# Altium PCB PCB2.PcbDoc (part 1 of 2) (continued)
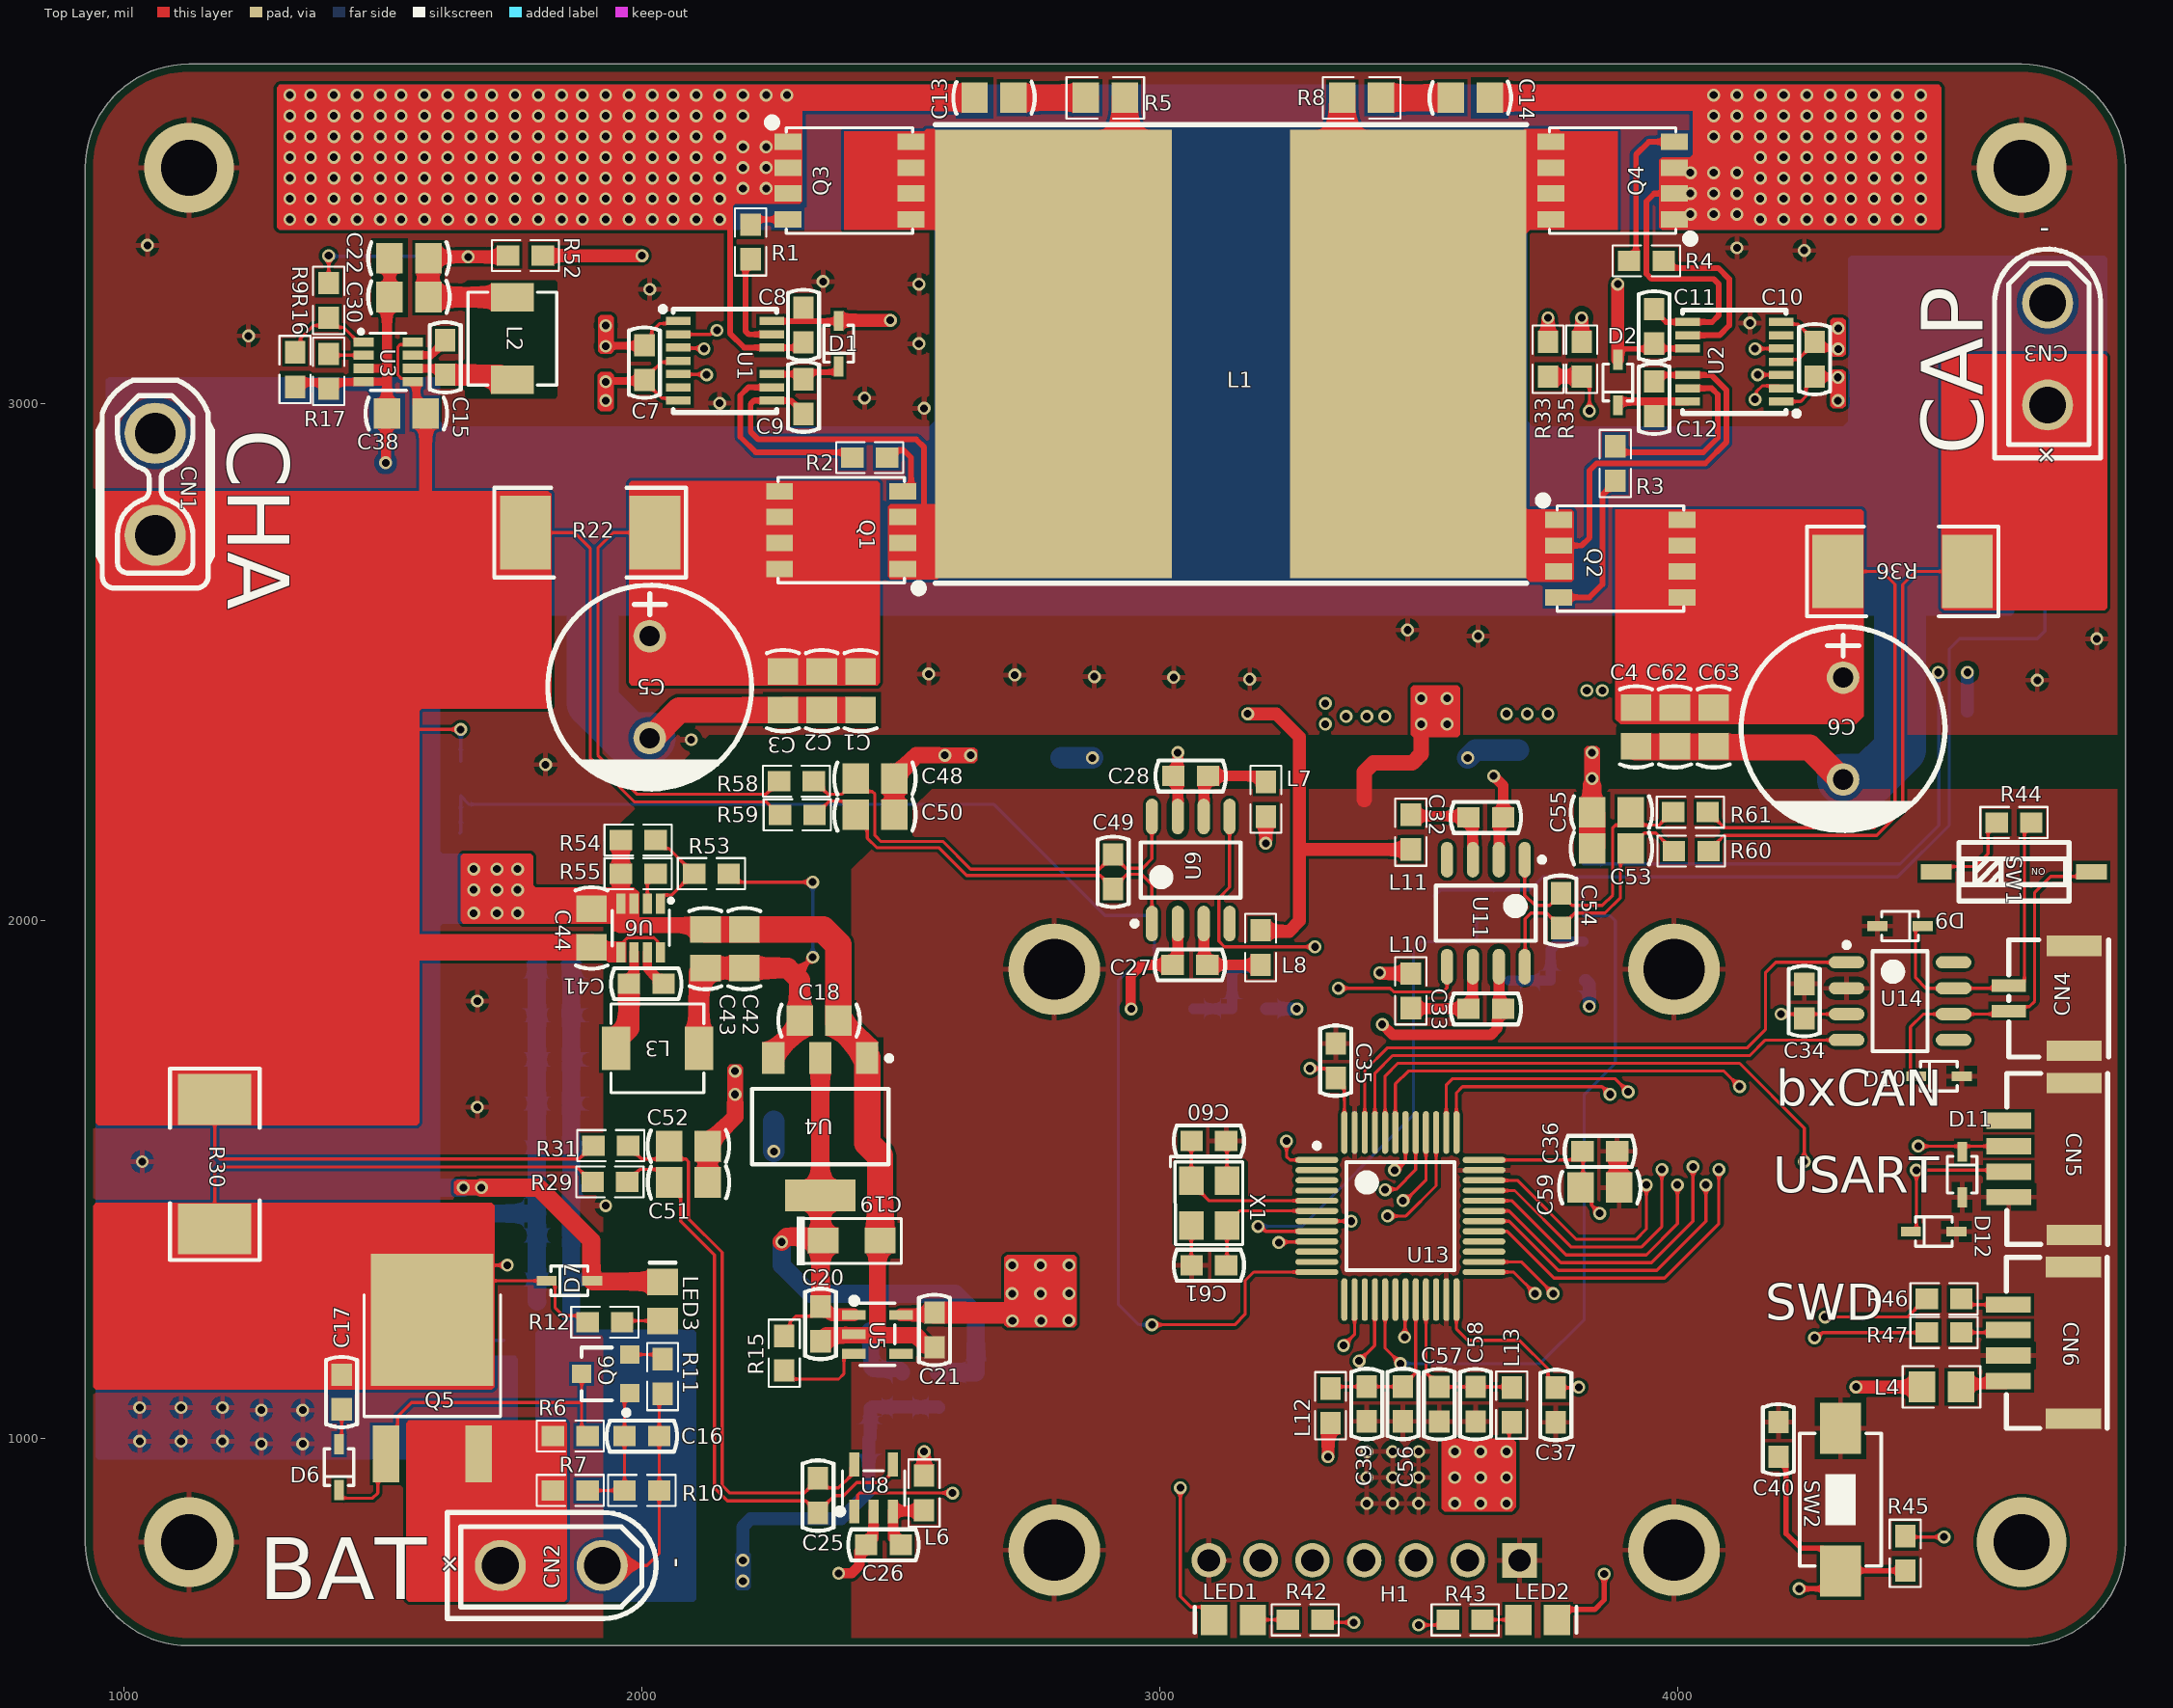
[diagram p0: Top Layer view]
## Part data (continued)
D1 D2 D6 D7: Average Rectified Current (Io)=1A, Forward Voltage (Vf@If)=600mV@1A, JLCPCB Part Class="Extended Part", LCSC Part Name="40V 1A 600mV@1A", Manufacturer=CJ(江苏长电/长晶), Manufacturer Part=B5819WS, Reverse Voltage (Vr)=40V, Add into BOM=yes, Convert to PCB=yes, Datasheet=https://atta.szlcsc.com/upload/public/pdf/source/20170919/C22624_1505799673448977596.pdf, Device=B5819WS_C22624, Name=B5819WS, Supplier=LCSC, Supplier Footprint=SOD-323, Supplier Part=C22624, Symbol=B5819WS_C22624
D4: BOM_JLCPCB Part Class="Extended Part", BOM_Manufacturer=FTR, BOM_Manufacturer Part=SMBJ26CA, BOM_Supplier=LCSC, BOM_Supplier Part=C708000, Contributor=LCSC, spicePre=D, spiceSymbolName=SMBJ26CA_C708000
D9 D10 D11 D12: BOM_JLCPCB Part Class="Extended Part", BOM_Manufacturer="Brightking Elec (TAIWAN)", BOM_Manufacturer Part=UDD32C15L01, BOM_Supplier=LCSC, BOM_Supplier Part=C313321, Contributor=LCSC, spicePre=D, spiceSymbolName=UDD32C15L01
H1: library part OLED_1.3inch, Color=黑色, Current Rating (Max)=-, JLCPCB Part Class="Extended Part", LCSC Part Name="2.54mm 1x7P 直插 方针", Manufacturer=XFCN(兴飞), Operating Temperature Range=-40℃~+105℃, Add into BOM=yes, Circluar Pins/Square Pins=方针, Contact Material=黄铜, Contact Plating=-, Convert to PCB=yes, Datasheet=https://atta.szlcsc.com/upload/public/pdf/source/20200309/C492406_654C533EE691117E22DD9F76C114C2D9.pdf, Device=PZ254V-11-07P, Insulation Height=2.5mm, Length of End Connection Pin=3mm, Length of Mating Pin=6mm, Manufacturer Part=PZ254V-11-07P, Mounting Type=直插, Name=PZ254V-11-07P, Number of Pins=7, Number of Rows=1, Pin Structure=1x7P, Pitch=2.54mm, Row Spacing=-, Supplier=LCSC, Supplier Footprint=直插,P=2.54mm, Supplier Part=C492406, Symbol=PZ254V-11-07P, Voltage Rating (Max)=-
L1: library part 15uH_CY, BOM_Manufacturer="3L COILS", BOM_Manufacturer Part=SNR8040K-470M, BOM_Supplier=LCSC, BOM_Supplier Part=C326356, Contributor=LCSC, nameAlias=Inductance, spicePre=L, spiceSymbolName=SNR8040K-470M
L2 L3: DC Resistance (DCR)=282mΩ, JLCPCB Part Class="Extended Part", LCSC Part Name="10uH ±20% 2A", Manufacturer=Sunlord(顺络), Rated Current=1.6A, Ratings=-, Saturation Current (Isat)=2A, Tolerance=±20%, Add into BOM=yes, Convert to PCB=yes, Datasheet=https://atta.szlcsc.com/upload/public/pdf/source/20190729/C408339_3BC98729F1BEEFAE5AEBBEB66576AB79.pdf, Device=MWSA0402S-100MT, Manufacturer Part=MWSA0402S-100MT, Name=10uH, Supplier=LCSC, Supplier Footprint=SMD, Supplier Part=C408339, Symbol=MWSA0402S-100MT, Type=-
L4 L5 L6 L7 L8 L9 L10 L11 L12 L13: BOM_JLCPCB Part Class="Extended Part", BOM_Manufacturer=FH, BOM_Manufacturer Part=CBW201209U601T, BOM_Supplier=LCSC, BOM_Supplier Part=C21286, nameAlias=Value, spicePre=L, spiceSymbolName=CBW201209U601T
LED1 LED2 LED3: BOM_JLCPCB Part Class="Extended Part", BOM_Manufacturer=MEIHUA, BOM_Manufacturer Part=MHT192WDT-CYAN, BOM_Supplier=LCSC, BOM_Supplier Part=C496821, Contributor=LCSC, spicePre=L, spiceSymbolName=MHT192WDT-CYAN
Q1 Q2 Q3 Q4 Q7: Continuous Drain Current (Id)=5.7A, Drain Source On Resistance (RDS(on)@Vgs,Id)=26.5mΩ@10V,5.7A, Drain Source Voltage (Vdss)=30V, Gate Threshold Voltage (Vgs(th)@Id)=1.5V@250μA, JLCPCB Part Class="Basic Part", LCSC Part Name="N沟道 30V 5.7A", Manufacturer=AOS, Manufacturer Part=AO3400A, Power Dissipation (Pd)=1.4W, Add into BOM=yes, Convert to PCB=yes, Datasheet=https://atta.szlcsc.com/upload/public/pdf/source/20140107/1457706668533.pdf, Device=AO3400A_C20917, Name=AO3400A, Supplier=LCSC, Supplier Footprint=SOT-23-3L, Supplier Part=C20917, Symbol=AO3400A, Type=N沟道
Q5: Continuous Drain Current (Id)=61A, Drain Source On Resistance (RDS(on)@Vgs,Id)=17mΩ@10V,17A, Drain Source Voltage (Vdss)=60V, Gate Threshold Voltage (Vgs(th)@Id)=3V@250μA, JLCPCB Part Class="Extended Part", LCSC Part Name="P沟道 60V 61A", Manufacturer=MATSUKI(松木), Power Dissipation (Pd)=114W, Add into BOM=yes, Convert to PCB=yes, Datasheet=https://atta.szlcsc.com/upload/public/pdf/source/20180316/EC2C67353FCE0BEDF2188A18E5230379.pdf, Device=ME50P06-G, Manufacturer Part=ME50P06-G, Name=ME50P06-G, Supplier=LCSC, Supplier Footprint=TO-252-2(DPAK), Supplier Part=C165230, Symbol=ME50P06, Type=P沟道
Q6: BOM_JLCPCB Part Class="Extended Part", BOM_Manufacturer="High Diode", BOM_Manufacturer Part=S8050, BOM_Supplier=LCSC, BOM_Supplier Part=C466625, Contributor=LCSC, spicePre=Q, spiceSymbolName=S8050_C466625
R1 R2 R3 R4 R5 R6 R7 R8 R9 R10 R11 R12 R13 R14 R15 R16 R17 R23 R25 R26 R27 R29 R30 R31 R32 R34 R35 R37 R38 R39 R40 R41 R42 R43 R44 R45 R46 R47 R48 R49 R50 R51 R52 R53 R54 R55 R58 R59 R60 R61: BOM_JLCPCB Part Class="Basic Part", BOM_Manufacturer=UniOhm, BOM_Manufacturer Part=0603WAF1002T5E, Resistance (Ohms)=10K, BOM_Supplier=LCSC, BOM_Supplier Part=C25804, nameAlias=Resistance, spicePre=R, spiceSymbolName=0603WAF1002T5E
R22 R36: library part 3mΩ, BOM_JLCPCB Part Class="Basic Part", BOM_Manufacturer=UniOhm, BOM_Manufacturer Part=0603WAF1002T5E, Resistance (Ohms)=10K, BOM_Supplier=LCSC, BOM_Supplier Part=C25804, nameAlias=Resistance, spicePre=R, spiceSymbolName=0603WAF1002T5E
R33: B Constant Tolerance=±1%, JLCPCB Part Class="Extended Part", LCSC Part Name="10kΩ 电阻精度:±1% 3380K", Manufacturer=muRata(村田), Operating Temperature=-40℃~+125℃, Power=100mW, Resistance @ 25℃=10kΩ, Steady State Current (Max)=310uA, Add into BOM=yes, B Constant (25℃/50℃)=3380K, B Constant (25℃/75℃)=-, B Constant (25℃/85℃)=3334K, B Constant (25℃/100℃)=3455K, Convert to PCB=yes, Datasheet=https://atta.szlcsc.com/upload/public/pdf/source/20130819/1457706638081.pdf, Device=NCP18XH103F03RB, Manufacturer Part=NCP18XH103F03RB, Name=NCP18XH103F03RB, Resistance Tolerance=±1%, Supplier=LCSC, Supplier Footprint=0603, Supplier Part=C13564, Symbol=NCP18XH103F03RB
SW1: Color=黑色, JLCPCB Part Class="Extended Part", LCSC Part Name="1.27mm 1位低推贴胶", Manufacturer=YE, Add into BOM=yes, Circuit=单刀单掷, Convert to PCB=yes, Datasheet=https://atta.szlcsc.com/upload/public/pdf/source/20220428/74B573882803886B9DF6FBBC1614692A.pdf, Device=DSHP01TSGET, Lead Pitch=1.27mm, Manufacturer Part=DSHP01TSGET, Name=DSHP01TSGET, Number of Positions=1, Supplier=LCSC, Supplier Footprint=SMD,5.4x2.85mm, Supplier Part=C126848, Symbol=DSHP01TSGET, Type=平拨，凹槽式
SW2: BOM_JLCPCB Part Class="Extended Part", BOM_Manufacturer=HYP, BOM_Manufacturer Part=1TS002B-2700-5000, BOM_Supplier=LCSC, BOM_Supplier Part=C318844, Contributor=LCSC, spicePre=S, spiceSymbolName=1TS002B-2700-5000
U1 U2: JLCPCB Part Class="Extended Part", LCSC Part Name="半桥 MOSFET 灌:4A 拉:8A", Manufacturer=Infineon(英飞凌), Operating Temperature=-40℃~+150℃@(Tj), Peak Output Current(sink)=4A, Peak Output Current(source)=8A, Supply Voltage=3V~3.5V, Add into BOM=yes, Convert to PCB=yes, Datasheet=https://atta.szlcsc.com/upload/public/pdf/source/20210606/C69F41D9A598FEEE25D6E8D6BBA83E77.pdf, Device=2EDF7275KXUMA1, Driven Configuration=半桥, Fall Time=4.5ns, loadtype=MOSFET, Manufacturer Part=2EDF7275KXUMA1, Name=2EDF7275KXUMA1, Number of Drivers=2, Rise Time=6.5ns, Supplier=LCSC, Supplier Footprint=TFLGA-13-1, Supplier Part=C2677063, Symbol=2EDF7275KXUMA1
U3 U6: BOM_JLCPCB Part Class="Extended Part", BOM_Manufacturer="Texas Instruments", BOM_Manufacturer Part=TPS5430DDAG4, BOM_Supplier=LCSC, BOM_Supplier Part=C201628, Contributor=LCSC, spicePre=U, spiceSymbolName=TPS5430DDAG4
U4: Dropout Voltage=1.3V@(1A), JLCPCB Part Class="Extended Part", LCSC Part Name="正 Vin=18V Vout=3.3V 1A 60dB@(120Hz)", Manufacturer=UMW(广东友台半导体), Manufacturer Part=AMS1117-3.3, Maximum Input Voltage=18V, Output Current=1A, Output Voltage=3.3V, Power Supply Rejection Ratio (PSRR)=60dB@(120Hz), Add into BOM=yes, Convert to PCB=yes, Datasheet=https://atta.szlcsc.com/upload/public/pdf/source/20211011/50CC665C22E3A66C08379A4A74BDA25C.pdf, Device=AMS1117-3.3_C347222, Name=AMS1117-3.3, Number of Outputs=1, Output Polarity=正, Output Type=固定, Supplier=LCSC, Supplier Footprint=SOT-223-4, Supplier Part=C347222, Symbol=AMS1117-3.3_C347222
U5: Dropout Voltage=400mV@(500mA), JLCPCB Part Class="Extended Part", LCSC Part Name="Vin=5.5V Vout=3.3V 500mA 50dB@(10kHz)", Manufacturer=RICHTEK(台湾立锜), Maximum Input Voltage=5.5V, Output Current=500mA, Output Voltage=3.3V, Power Supply Rejection Ratio (PRSS)=50dB@(10kHz), Quiescent Current (Ground Current)=-, Add into BOM=yes, Convert to PCB=yes, Datasheet=https://atta.szlcsc.com/upload/public/pdf/source/20150504/1457707282459.pdf, Device=RT9013-33GB, Feature=-, Manufacturer Part=RT9013-33GB, Name=RT9013-33GB, Noise=-, Number of Outputs=1, Output Polarity=正, Output Type=固定, Supplier=LCSC, Supplier Footprint=SOT-23-5, Supplier Part=C47773, Symbol=RT9013-33GB
U7 U10: JLCPCB Part Class="Extended Part", Manufacturer=COSINE(科山芯创), Supply Current=650uA, Voltage - Input Offset(Vos)=5mV, Add into BOM=yes, Convert to PCB=yes, Datasheet=https://atta.szlcsc.com/upload/public/pdf/source/20200629/C693056_2991DE5392421DDCA1474C8C5608148D.pdf, Device=COS722SR, Gain Bandwidth Product(GBP)=10MHz, LCSC Part Name=COS722SR, Manufacturer Part=COS722SR, Name=COS722SR, Number of Circuits=2, Slew Rate(SR)=7.5V/us, Supplier=LCSC, Supplier Footprint=SOIC-8, Supplier Part=C693063, Symbol=COS722SR
U8 U9 U11: JLCPCB Part Class="Extended Part", Manufacturer=TI(德州仪器), Add into BOM=yes, Convert to PCB=yes, Supplier=LCSC
  U8: Datasheet=https://atta.szlcsc.com/upload/public/pdf/source/20171221/C140332_15138310678791195272.pdf, Device=INA197AIDBVT, LCSC Part Name=INA197AIDBVT, Manufacturer Part=INA197AIDBVT, Name=INA197AIDBVT, Supplier Footprint=SOT-23-5, Supplier Part=C140332, Symbol=INA197AIDBVT
  U9 U11: Datasheet=https://atta.szlcsc.com/upload/public/pdf/source/20210607/AED5CCB0280C8C5A414BD6EEEB43F6C3.pdf, Device=INA240A1DR, LCSC Part Name=INA240A1DR, Manufacturer Part=INA240A1DR, Name=INA240A1DR, Supplier Footprint=SOIC-8, Supplier Part=C2060769, Symbol=INA240A1DR
U12: JLCPCB Part Class="Basic Part", LCSC Part Name="2.5V~36V 100mA", Manufacturer=CJ(江苏长电/长晶), Manufacturer Part=CJ431, Minimum Cathode Current for Regulation=1mA, Operating Temperature=-25℃~+85℃@(TA), Output Current=100mA, Output Voltage=2.5V~36V, Temperature Coefficient=50ppm/℃, Tolerance=±0.5%, Add into BOM=yes, Convert to PCB=yes, Datasheet=https://atta.szlcsc.com/upload/public/pdf/source/20180115/C3113_15160149461261269385.pdf, Device=CJ431_C3113, Name=CJ431, Output Type=可调, Supplier=LCSC, Supplier Footprint=SOT-23, Supplier Part=C3113, Symbol=CJ431_C3113
U13: JLCPCB Part Class="Extended Part", LCSC Part Name="ARM Cortex-M4 170MHz", Low-Voltage Detect=-, Manufacturer=ST(意法半导体), Operating Temperature Range=-40℃~+85℃, Operating Voltage Range=1.71V~3.6V, ADC (Bit)=12bit, Add into BOM=yes, CCP Capture/Compare=-, communication protocol=-, Convert to PCB=yes, CPU Core="ARM Cortex-M4", CPU Maximum Speed=170MHz, DAC (Bit)=12bit, Datasheet=https://atta.szlcsc.com/upload/public/pdf/source/20200902/C431632_38212262685EE30B1989689374F08940.pdf, Device=STM32G474CET6, Direct Memory Access=-, EEPROM=512KB, GPIO Ports Number=38, Infrared Data Association=-, Internal Comparator=-, Internal Oscillator=有, Manufacturer Part=STM32G474CET6, Name=STM32G474CET6, Peripheral/Function=PWM；看门狗；PWM, Program Memory Type=FLASH, Program Storage Size=512KB, PWM (Bit)=-, RAM Size=128KB, Real-Time Clock=-, Secure Digital Input and Output=-, Supplier=LCSC, Supplier Footprint=LQFP-48(7x7), Supplier Part=C730125, Symbol=STM32G474CET6, Universal Serial Bus=-, Watchdog=-
U14: BOM_JLCPCB Part Class="Extended Part", BOM_Manufacturer=TI, BOM_Manufacturer Part=SN65HVD232DR, BOM_Supplier=LCSC, BOM_Supplier Part=C30530, spicePre=U, spiceSymbolName=SN65HVD232DR
X1: Frequency Stability=±30ppm, Frequency Tolerance=±10ppm, JLCPCB Part Class="Basic Part", LCSC Part Name="25MHz ±10ppm 12pF", Load Capacitance=12pF, Manufacturer=YXC(扬兴晶振), Operating Temperature=-40℃~+85℃, Add into BOM=yes, Convert to PCB=yes, Crystal Type=贴片无源晶振, Datasheet=https://atta.szlcsc.com/upload/public/pdf/source/20210329/C112971_1F611BDC486E193C1706F6D8EB5AA189.pdf, Device=X322525MOB4SI, Manufacturer Part=X322525MOB4SI, Name=25MHz, Supplier=LCSC, Supplier Footprint=SMD3225-4P, Supplier Part=C9006, Symbol=X322525MOB4SI

## Via types
v1: diameter 25/25/25/25 (per signal layer), hole 15, Top Layer to Bottom Layer, tented both sides, 308 vias
v2: diameter 25, hole 15, Top Layer to Bottom Layer, tented both sides, 98 vias
v3: diameter 173.23, hole 108.27, Top Layer to Bottom Layer, 2 vias
v4: diameter 173.23/173.23/173.23/173.23 (per signal layer), hole 108.27, Top Layer to Bottom Layer, 2 vias

## Nets (pads, with @x,y where several pads share a name; then routed paths per layer and width w, separated by ;. In a path a pad name is that pad's centre, name@x,y a point inside that pad or via, vN(x,y) a via of type N, cw(c..) or ccw(c..) an arc to the next point about the centre after c; other vN are vias at no path point)
BAT_Vdet: U7.1 U7.2 U13.12 | length 1235.8
  Top Layer w6: v2(2985,1220) 3145,1220 3165,1240 3165,1305 3181.73,1321.73 U13.12@3303.58,1321.73
  Bottom Layer w6: v2(2985,1220) 2960,1220 2920,1260 2920,1885 2945.35,1910.35 U7.1@2989.89,1910.35 U7.2@2989.89,1960.35
CAN_Rx: U13.45 U14.4 | length 1051.8
  Top Layer w6: U13.45@3415.79,1591.42 3415.79,1705.79 3450,1740 4140,1740 4170,1770 U14.4@4326.65,1770
CAN_Tx: U13.46 U14.1 | length 1201.2
  Top Layer w6: U13.46@3396.1,1591.42 3396.1,1711.1 3440,1755 4135,1755 4170,1790 4170,1900 4190,1920 U14.1@4326.65,1920
CAP_Vdet: U10.1 U10.2 U13.8 | length 1004.5
  Top Layer w6: v2(3190,1410) 3195.14,1410 3204.67,1400.47 U13.8@3303.58,1400.47
  Bottom Layer w6: v2(3190,1410) 3275,1410 3490,1625 3490,1945 3505,1960 U10.1@3611.65,1960 U10.2@3611.65,2010
CapDriver_Enable: U2.5 U13.29 | length 2930.4
  Top Layer w6: U13.29@3626.42,1400.47 3671.01,1400.47 3761.49,1310 3975,1310 4080,1415 v2(4080,1520) ; v2(4150,3105) 4150.3,3105.3 4200.26,3105.3 U2.5@4200.55,3105.59
  DigitalVCC w10: v2(3750,2400) 3750,1860 3810,1800 4035,1800 4080,1755 v2(4080,1520)
  AnalogVCC w10: v2(3750,2400) 3750,2375.86 3744.14,2370 3655,2370 3640,2385 3640,2515 4100,2975 4100,3085 4120,3105 v2(4150,3105)
CapDriver_HighDrive: Q2.4 R3.2 | length 304.8
  Top Layer w11: Q2.4@3770.89,2625 3830,2625 3855,2650 3855,2823.03 3880,2848.03 R3.2@3880,2850
CapDriver_HighPWM: U2.2 U13.30 | length 2631.3
  Top Layer w6: U13.30@3626.42,1420.16 3674.84,1420.16 3770,1325 3960,1325 4055,1420 v2(4055,1490) ; v2(4150,3007.23) 4152.82,3010.05 4152.82,3022.82 4163.69,3033.69 4195.68,3033.69 U2.2@4200.55,3028.82
  DigitalVCC w10: v2(3710,2400) 3710,1850 3780,1780 4020,1780 4055,1745 v2(4055,1490)
  AnalogVCC w10: v2(3710,2400) 3710,2525 4150,2965 v2(4150,3007.23)
CapDriver_LowDrive: Q4.4 R4.2 | length 295
  Top Layer w11: R4.2@3906.54,3275 3920,3288.46 3920,3480 3945,3505 Q4.4@3994.11,3505
CapDriver_LowPWM: U2.3 U13.31 | length 2672.9
  Top Layer w6: U13.31@3626.42,1439.84 3675.16,1439.84 3705,1410 3775,1340 3950,1340 4030,1420 v2(4030,1525) ; v2@4155.3,3054.7 U2.3@4200.26,3054.7
  Top Layer w10: v2(4155,3055) v2@4155.3,3054.7 ; U2.3@4200.26,3054.7 U2.3@4200.55,3054.41
  DigitalVCC w10: v2(3670,2400) 3670,1840 3750,1760 4010,1760 4030,1740 v2(4030,1525)
  AnalogVCC w10: v2(3670,2400) 3670,2515 4125,2970 4125,3045 4135,3055 v2(4155,3055)
CapDriver_SW: C12.2 L1.2 Q2.1 Q2.2 Q2.3 Q4.5 Q4.6 Q4.7 Q4.8 R8.1 U2.11 | length 1288.2
  Top Layer w11: Q2.2@3770.89,2725 3815,2725 3830,2740 3830,2870 3843.78,2883.78 4053.78,2883.78 4095,2925 4095,3025 4065.59,3054.41 U2.11@4019.45,3054.41 3967.48,3054.41 C12.2@3955,3041.93
  Top Layer w51: R8.1@3352.6,3590 3352.6,3222.44 L1.2@3480.04,3095
CapDriver_VCC: C12.1 D2.1 U2.13 | length 140.7
  Top Layer w16: D2.1@3885,2996 3885,3001.58 3886.65,3003.23 U2.13@4019.45,3003.23
Chassis_Idet: U8.1 U13.16 | length 1314.9
  Top Layer w6: U8.1@2410.2,859.16 2416.85,865.81 2416.85,891.49 2420.36,895 v2(2600,895) ; v2(3385,1150) 3415,1180 3415,1267.8 U13.16@3415.79,1268.58
  AnalogVCC w10: v2(2600,895) 2670,965 3195,965 3230,1000 3230,1125 3255,1150 v2(3385,1150)
DCcap_Idet: U11.5 U13.9 | length 898.7
  Top Layer w6: v2(3230,1378.97) 3230.91,1379.88 3302.68,1379.88 U13.9@3303.58,1380.79 ; v2(3345,1870) 3445.07,1870 3452.14,1862.93 3547.07,1862.93 3555,1870.86 U11.5@3555,1911.65
  AnalogVCC w10: v2(3230,1378.97) 3231.03,1380 3280,1380 3310,1410 3310,1535 3345,1570 v2(3345,1870)
DCsource_Idet: U9.5 U13.14 | length 1395.8
  Top Layer w6: U9.5@3135,2201.69 3135,2065 3114.19,2044.19 3114.19,1960.81 3125,1950 v2(3300,1950) ; v2(3355.17,1179.81) 3376.42,1201.06 U13.14@3376.42,1268.58
  AnalogVCC w10: v2(3300,1950) 3355,1950 3370,1935 3370,1570 3330,1530 3330,1205 v2(3355.17,1179.81)
GND: C1.1 C2.1 C3.1 C4.1 C5.2 C6.2 C7.1 C8.2 C10.1 C11.2 C13.2 C14.2 C18.2 C19.2 C20.2 C21.2 C22.1 C23.2 C24.2 C26.2 C27.2 C28.2 C29.2 C30.1 C31.1 C32.2 C33.2 C34.1 C35.1 C36.1 C37.1 C38.1 C39.1 C40.1 C42.1 C43.1 C44.1 C45.1 C46.1 C47.1 C48.2 C50.1 C51.2 C52.2 C53.2 C55.2 C56.1 C57.1 C58.1 C59.1 C60.2 C61.2 C62.1 C63.1 C64.1 C65.1 C66.1 CN1.2 CN3.1 CN4.3 CN4.4 CN5.1 CN5.5 CN5.6 CN6.2 CN6.5 CN6.6 D7.2 D9.2 D10.2 D11.2 D12.2 H1.1 H1.7 H1.8 LED3.2 Q3.1 Q3.2 Q3.3 Q4.1 Q4.2 Q4.3 Q7.1 Q7.2 Q7.3 R14.1 R16.1 R17.1 R25.2 R26.2 R27.1 R34.1 R35.2 R37.2 R38.2 R41.1 R48.2 R49.2 R50.2 R51.2 R54.1 R55.1 SW2.1 U1.1 U1.11 U2.1 U2.8 U3.3 U3.4 U4.1 U5.2 U6.3 U6.4 U7.4 U8.2 U9.2 U9.7 U10.4 U11.2 U11.7 U12.3 U13.19 U13.23 U13.35 U13.47 U14.2 X1.2 X1.4 | length 14811.7
  Top Layer w6: C7.1@2005,3111.93 2019.07,3126 2019.07,3139.07 2033.67,3153.67 2065.13,3153.67 U1.1@2070,3158.54 ; X1.2@3061.1,1411.35 3061.1,1335.44 C61.2@3061.54,1335 ; C60.2@3128.46,1575 3130,1573.46 X1.4@3130,1497.97 ; v1(3473.03,1195.98) 3473.93,1196.89 3473.93,1267.68 U13.19@3474.84,1268.58 ; U2.1@4200.55,3003.23 4238.23,3003.23 4248.31,3013.31 4248.31,3034.85 C10.1@4265,3051.54
  Top Layer w11: 2170,3410 2170,3135 2197.64,3107.36 U1.11@2251.1,3107.36 2301.72,3107.36 C8.2@2312.03,3117.67 ; C11.2@3955,3181.93 3955,3179.96 3978.19,3156.77 U2.8@4019.45,3156.77 4066.77,3156.77 4080,3170 4080,3230 4070,3240 3950,3240 3940,3250 3940,3390 3955,3405 Q4.2@3994.11,3405
  Top Layer w15: R16.1@1330,3031.54 1338.72,3040.26 1461.4,3040.26 U3.4@1462.76,3041.61 1505.98,3041.61 1507.6,3040 ; U3.3@1462.76,3067.2 1505.39,3067.2 1507.6,3065 ; v1(1930,3110) 1930.96,3110.96 2004.04,3110.96 C7.1@2005,3111.93 ; C10.1@4265,3051.54 4265.77,3050.77 4309.23,3050.77 v1(4310,3050)
  Top Layer w20: v1(1505,2885) 1505.96,2885.96 1505.96,2978.36 C38.1@1507.6,2980 1507.6,3040 1507.6,3065 1507.6,3200 C30.1@1512.6,3205 C22.1@1512.6,3280 ; v1(2380,740) 2405,740 2420,755 2420,781.93 2421.42,783.35 2421.42,785.31 2431.1,795 C26.2@2433.07,795 2435.04,795 2447.6,807.56 U8.2@2447.6,859.16 ; v1(2945,1830) 2944.04,1830.96 2944.04,1894.04 2965,1915 C27.2@3025,1915 ; C27.2@3035,1924.69 U9.2@3035,1995 ; U9.7@3035,2201.69 v2(3035,2325) ; v1(3430,1800) 3450,1780 3640,1780 3651.81,1791.81 3651.81,1820.31 3661.5,1830 C33.2@3663.46,1830 3655.69,1837.77 3655.69,1910.96 U11.7@3655,1911.65 ; v1(3645,2280) 3663.46,2261.54 C32.2@3663.46,2200 3655.69,2192.23 3655.69,2119.04 U11.2@3655,2118.35
  Top Layer w25: R35.2@3815,3118.46 v1(3815,3165)
  Top Layer w30: 1958.13,1991.87 2114.76,1991.87 C43.1@2122.8,1983.83 ; R54.1@1959.33,2156.43 1959.37,2156.39 U6.4@1959.41,2033.68 U6.4@1959.41,2033.68 ; 3395,2235 3395,2287.43 3412.57,2305 3487.43,2305 3505,2322.57 v1(3505,2380) ; C36.1@3883.46,1555 3885.43,1553.03 3885.43,1486.97 C59.1@3887.4,1485
  Top Layer w32: C51.2@2127.4,1495 2127.3,1495.1 2127.3,1564.9 C52.2@2127.2,1565 2127.2,1568.94 2180,1621.73 2180,1647.5 ; C20.2@2345,1188.07 2345,1190.04 2348.69,1193.72 2350.65,1193.72 2356.93,1200 2455,1200 ; C19.2@2460,1382.61 2455,1377.61 2455,1200 ; C50.1@2487.4,2205 2487.4,2277.4 2530,2320 v1@2572.5,2320 ; C21.2@2545.55,1180 2545.55,1182.89 2528.44,1200 2455,1200
  Top Layer w35: v2(1690,1485) 1800,1485 1902.15,1382.85 1902.15,1306.85 D7.2@1904,1305 1905.3,1303.7 2038.7,1303.7 LED3.2@2040,1302.4 ; 3835,2262.5 3835,2210.2 C55.2@3835.2,2210
  Top Layer w50: C5.2@2015,2353.15 2018.51,2353.15 2072.81,2407.45 C3.1@2272.4,2407.45 C2.1@2347.4,2407.45 C1.1@2422.4,2407.45 C1.1@2426.34,2407.45 ; C53.2@3835.2,2140 C55.2@3835.2,2210 ; C4.1@3920,2335 4254.64,2335 4316.49,2273.15 C6.2@4320,2273.15
  Top Layer w51: C43.1@2122.8,1983.83 C42.1@2197.8,1983.83 2349.63,1983.83 2379.5,1953.96 C18.2@2379.5,1807.61 2379.5,1803.67 U4.1@2431.21,1751.97 ; 2265,3590 C13.2@2642.6,3590 ; U4.1@2435.06,1735.48 2435.06,1571.19 2460,1546.24 C19.2@2460,1400 ; C14.2@3637.4,3590 v1@4065,3590
  AnalogVCC w25: 3565,2370 3620,2370 3645,2345 3760,2345 3785,2370 3785,2560 4125,2900 4280,2900 4310,2930 v1(4310,3005) v1(4310,3050) ; v1@3817.37,3165 3980,3165 4030,3215 4385,3215 4505,3095 4505,2570 4560,2515 v1(4560,2480)
  AnalogVCC w30: v1(1930,3150) v1(1930,3110) 1894,3074 1894,2926 1945,2875 2135,2875 2160,2850 2160,2630 2245,2545 3230,2545 3275,2500 3275,2360 3295,2340 3465,2340 v1(3505,2380)
  Bottom Layer w6: R34.1@4775,2796.93 4775,3100
  Bottom Layer w25: 4560,2405 v1(4560,2480)
  Bottom Layer w35: 1505,1460 1530,1435 ; 1590,1435 R49.2@1797.07,1435 ; 1595,1485 v2(1655,1485) ; C23.2@1796.54,1940 1797.07,1939.47 R49.2@1797.07,1435 ; R51.2@1797.6,1265 1797.07,1265.53 R49.2@1797.07,1435 ; R49.2@1797.6,1435 R49.2@1797.07,1435
  Bottom Layer w100: 1905,2654.42 1905,2421.73 1973.58,2353.15 C5.2@2015,2353.15 ; C6.2@4320,2273.15 4371.42,2273.15 4430,2331.73 4430,2650
  other v1: 1035,1535 1682.01,1640.25 2180,1665 2180,1710 1682.01,1845.25 1675,2015 1720,2015 1760,2015 1675,2060 1720,2060 1760,2060 1675,2100 1720,2100 1760,2100 3835,2275 2585,2320 2635,2320 3835,2325 2095,2350 3555,2380 3505,2430 3555,2430 4695,2465 4810,2545 3615,2550 2545,2990 2150,3000 2430,3010 2535,3115 1240,3130 4140,3155 2015,3220 2535,3230 2350,3235 4245,3295 4115,3300 1045,3305 1320,3355 1360,3355 1405,3355 1450,3355 1495,3355 1535,3355 1580,3355 1625,3355 1670,3355 1710,3355 1755,3355 1800,3355 1845,3355 1885,3355 1930,3355 1975,3355 2020,3355 2060,3355 2105,3355 2150,3355 4160,3355 4205,3355 4250,3355 4295,3355 4335,3355 4380,3355 4425,3355 4470,3355 4025,3365 4070,3365 4115,3365 1320,3395 1360,3395 1405,3395 1450,3395 1495,3395 1535,3395 1580,3395 1625,3395 1670,3395 1710,3395 1755,3395 1800,3395 1845,3395 1885,3395 1930,3395 1975,3395 2020,3395 2060,3395 2105,3395 2150,3395 4160,3395 4205,3395 4250,3395 4295,3395 4335,3395 4380,3395 4425,3395 4470,3395 4025,3405 4070,3405 4115,3405 2195,3415 2240,3415 1320,3435 1360,3435 1405,3435 1450,3435 1495,3435 1535,3435 1580,3435 1625,3435 1670,3435 1710,3435 1755,3435 1800,3435 1845,3435 1885,3435 1930,3435 1975,3435 2020,3435 2060,3435 2105,3435 2150,3435 4160,3435 4205,3435 4250,3435 4295,3435 4335,3435 4380,3435 4425,3435 4470,3435 4025,3445 4070,3445 4115,3445 2195,3455 2240,3455 1320,3475 1360,3475 1405,3475 1450,3475 1495,3475 1535,3475 1580,3475 1625,3475 1670,3475 1710,3475 1755,3475 1800,3475 1845,3475 1885,3475 1930,3475 1975,3475 2020,3475 2060,3475 2105,3475 2150,3475 4160,3475 4205,3475 4250,3475 4295,3475 4335,3475 4380,3475 4425,3475 4470,3475 2195,3495 2240,3495 1320,3515 1360,3515 1405,3515 1450,3515 1495,3515 1535,3515 1580,3515 1625,3515 1670,3515 1710,3515 1755,3515 1800,3515 1845,3515 1885,3515 1930,3515 1975,3515 2020,3515 2060,3515 2105,3515 2150,3515 4070,3515 4115,3515 4160,3515 4205,3515 4250,3515 4295,3515 4335,3515 4380,3515 4425,3515 4470,3515 1320,3555 1360,3555 1405,3555 1450,3555 1495,3555 1535,3555 1580,3555 1625,3555 1670,3555 1710,3555 1755,3555 1800,3555 1845,3555 1885,3555 1930,3555 1975,3555 2020,3555 2060,3555 2105,3555 2150,3555 2195,3555 4070,3555 4115,3555 4160,3555 4205,3555 4250,3555 4295,3555 4335,3555 4380,3555 4425,3555 4470,3555 1320,3595 1360,3595 1405,3595 1450,3595 1495,3595 1535,3595 1580,3595 1625,3595 1670,3595 1710,3595 1755,3595 1800,3595 1845,3595 1885,3595 1930,3595 1975,3595 2020,3595 2060,3595 2105,3595 2150,3595 2195,3595 2240,3595 2280,3595 4070,3595 4115,3595 4160,3595 4205,3595 4250,3595 4295,3595 4335,3595 4380,3595 4425,3595 4470,3595
  other v2: 3400,875 3450,875 3500,875 3400,925 3450,925 3500,925 3400,975 3450,975 3500,975 1265,990 1345,990 1030,995 1110,995 1190,995 1265,1055 1345,1055 1030,1060 1110,1060 1190,1060 1930,1450 1813.89,2301.95 3173.89,2466.95 3027.01,2470.25 2873.89,2471.95 2720,2475 2553.89,2476.95 3478.89,2561.95
  other v3: 1125,800
  other v4: 1125,3455 4665,3455
GND_bat: C16.1 C23.1 CN2.1 D4.1 Q7.5 Q7.6 Q7.7 Q7.8 R10.1 R11.1 R25.1 R26.1 R37.1 R38.1 R48.1 R49.1 R50.1 R51.1 | length 1241.5
  Top Layer w6: CN2.1@1923.43,755 2010,755 2033.46,778.46 R10.1@2033.46,900 C16.1@2033.46,1005 2033.46,1080 R11.1@2040,1086.54
  Bottom Layer w35: C23.1@1863.46,1940 1863.46,1166.54 1890,1140